# KiCad board microcyte_panel.kicad_pcb
title: microcyte; date: 2025-11-27; rev: A; company: Queen's University; note: Shastri Lab; note: hughmor
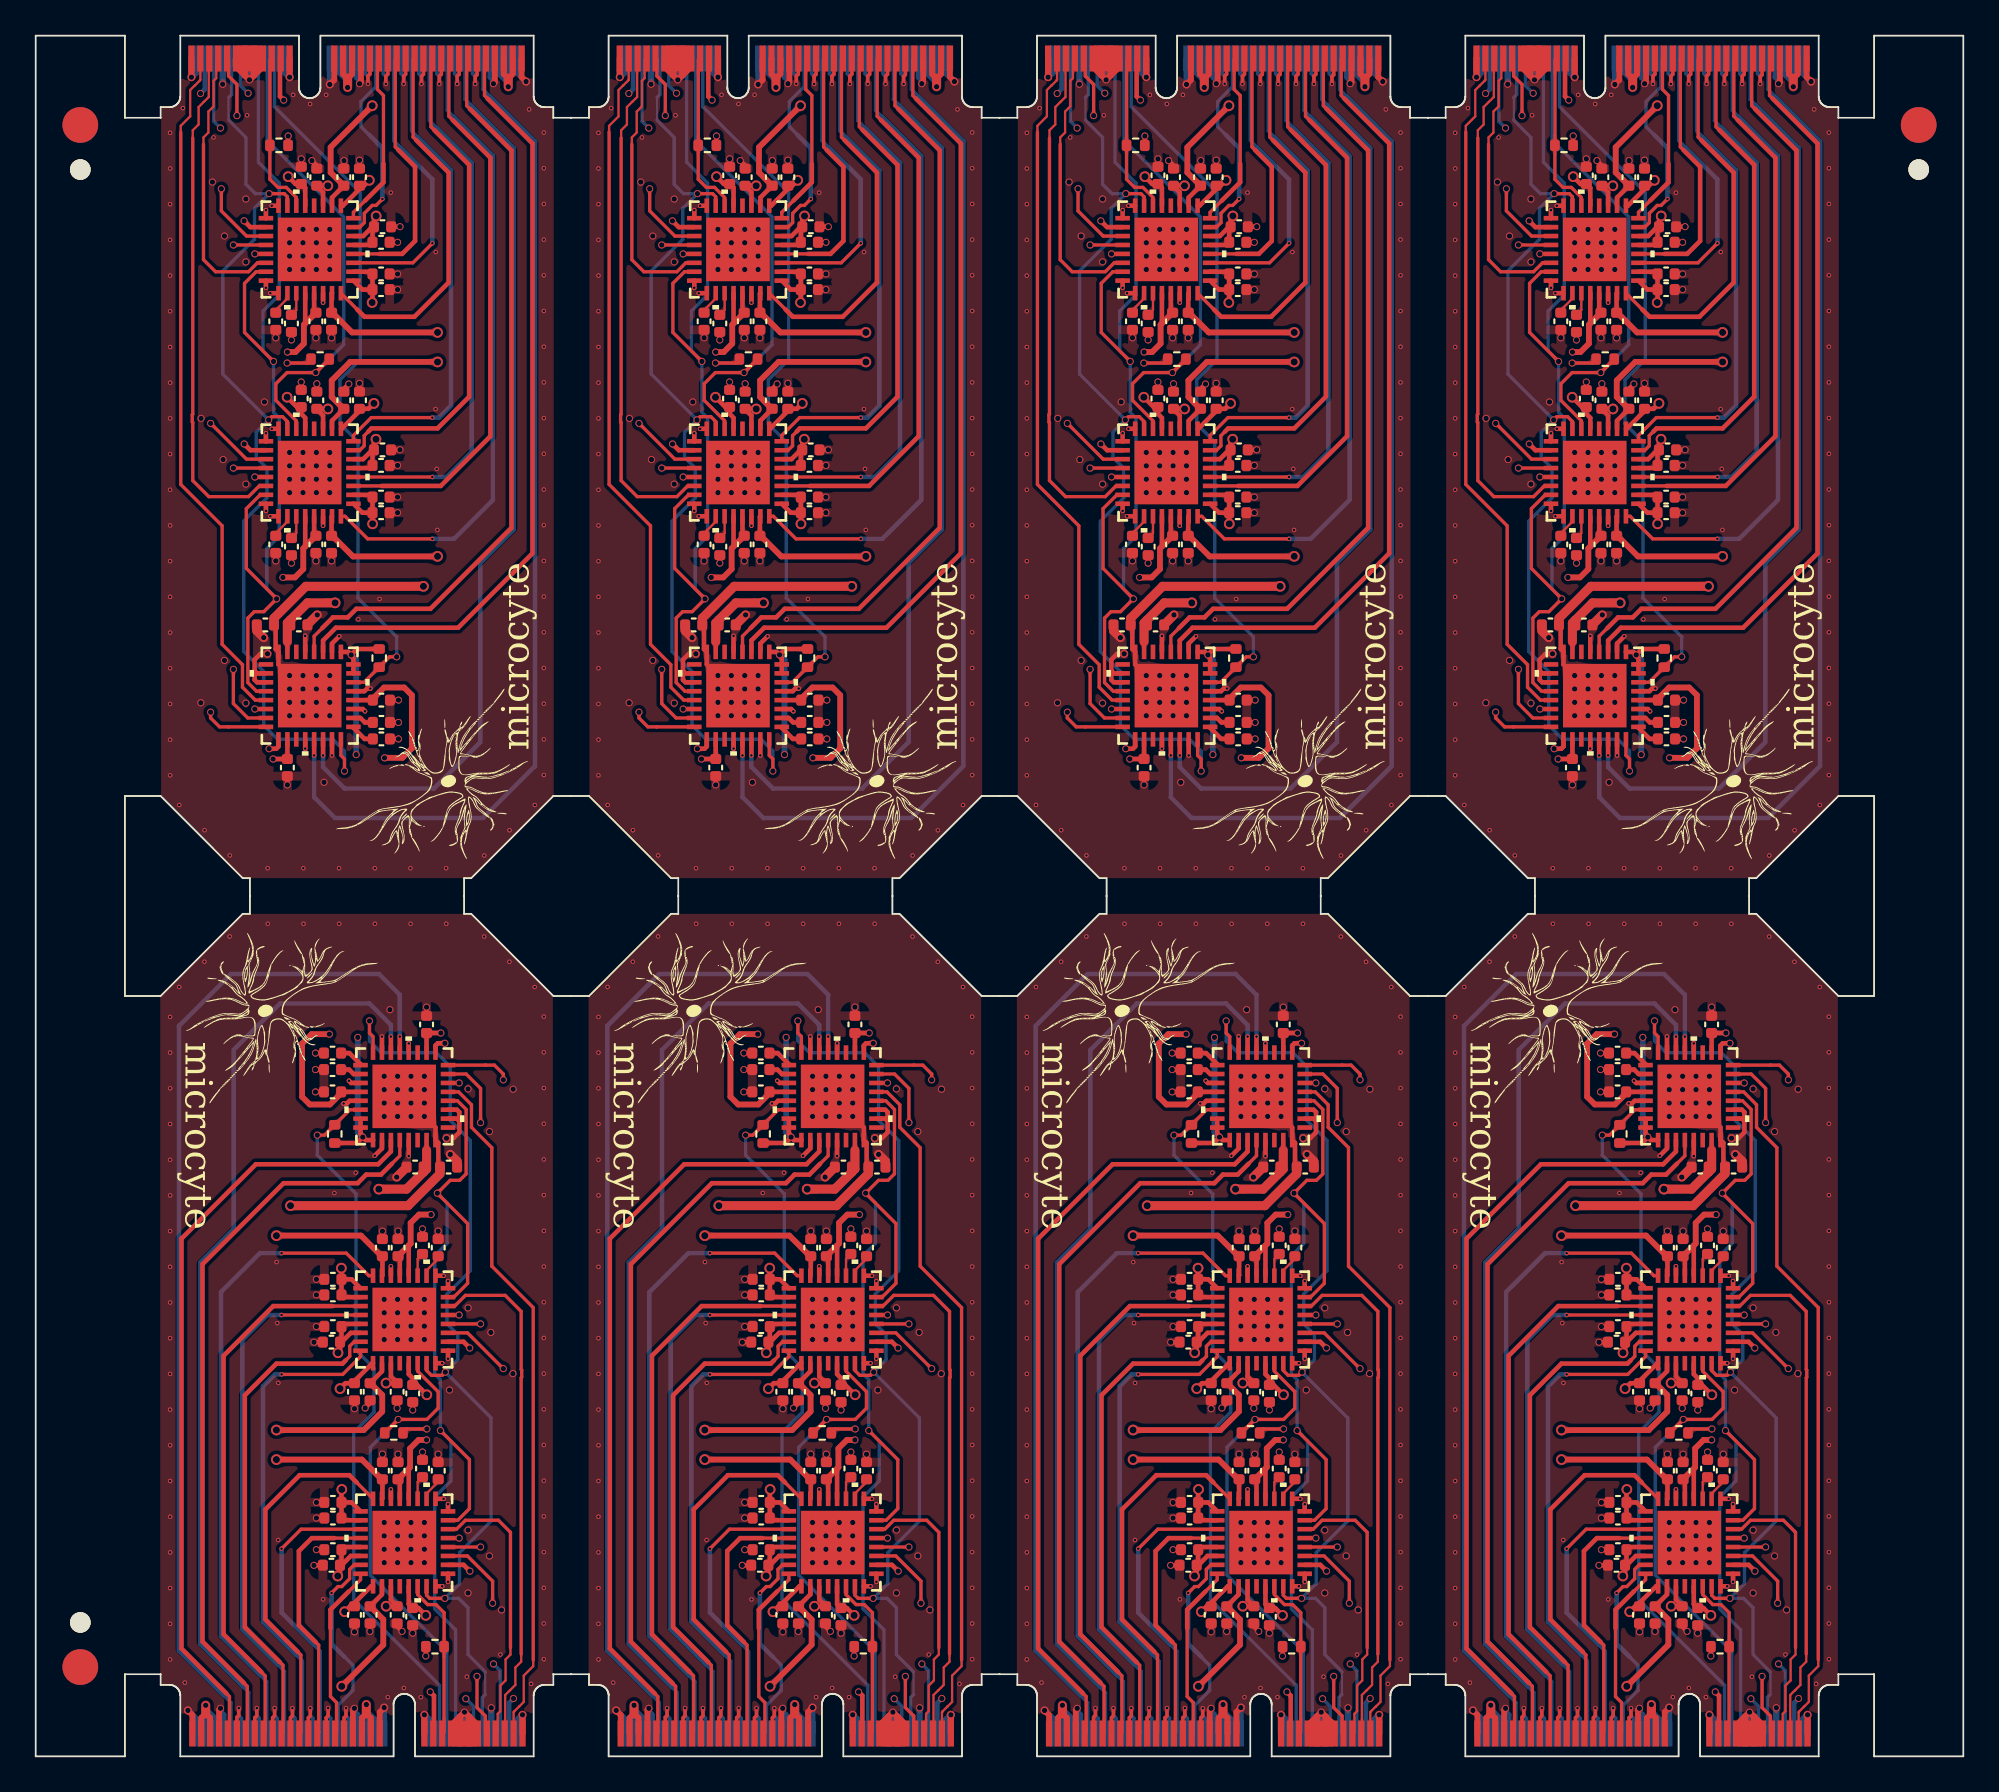
[diagram p0: board, top side]
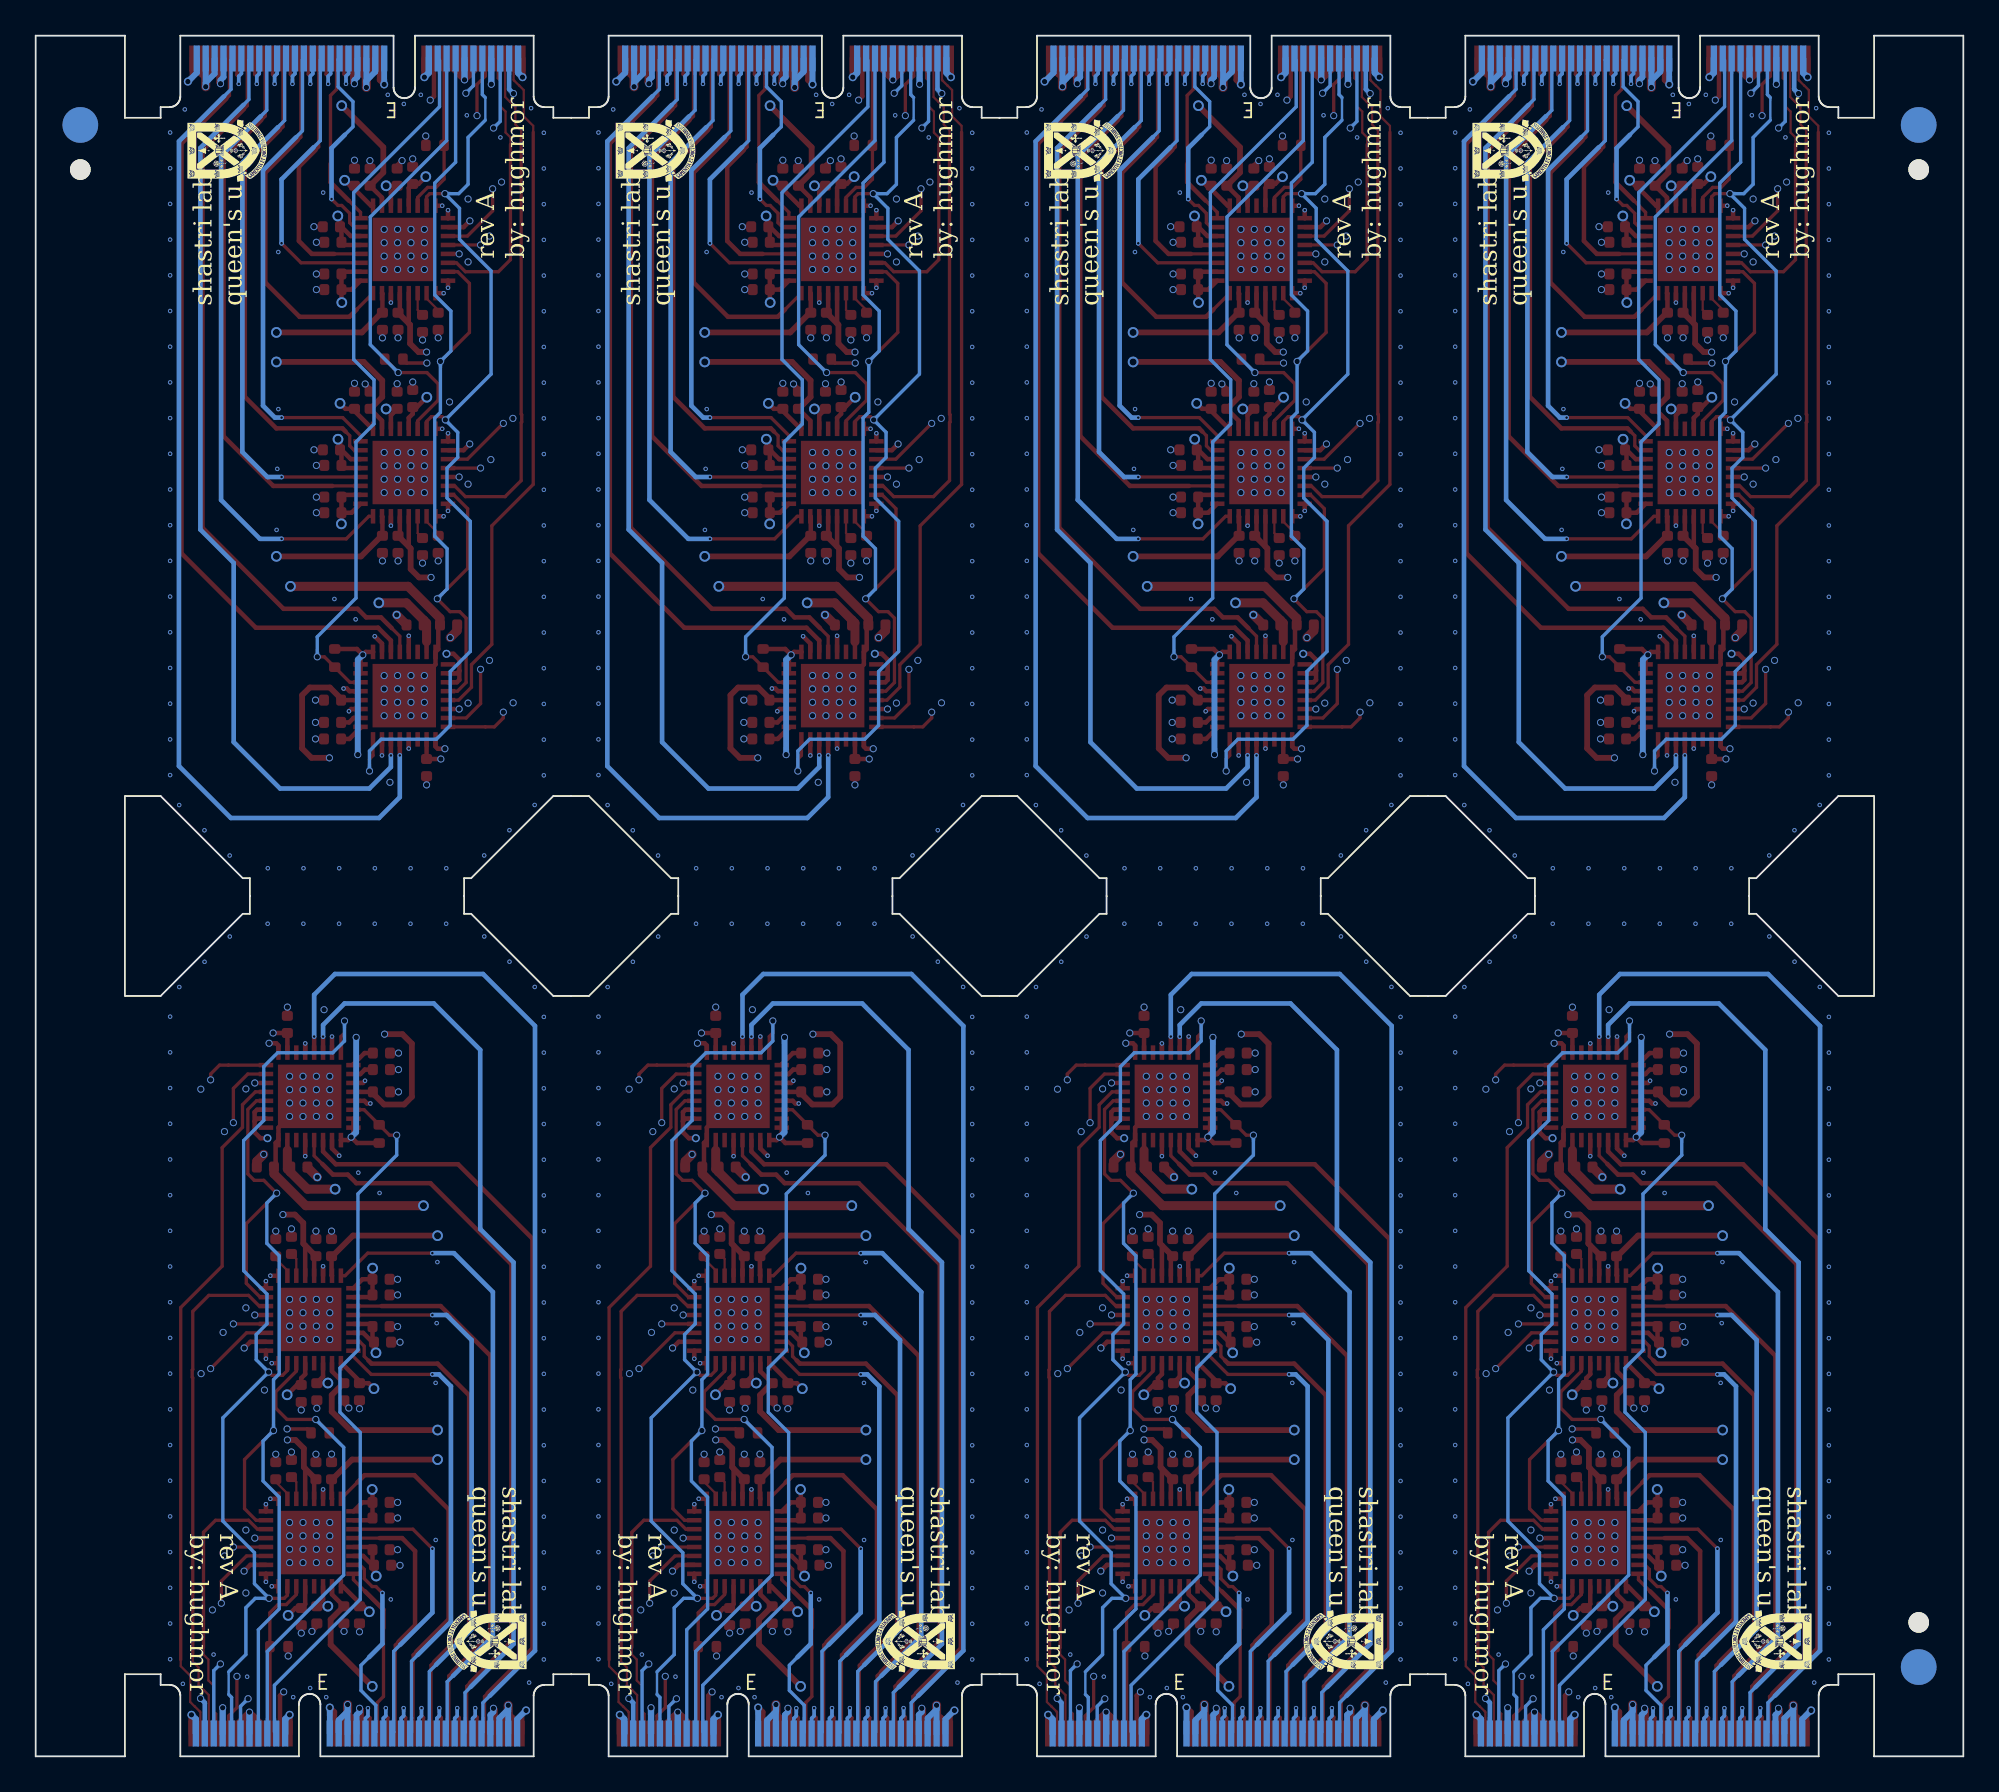
[diagram p1: board, bottom side, seen from below]

Outline 108 x 96.4 mm; copper layers: Top, In1.Cu, In2.Cu, In3.Cu, In4.Cu, Bottom. Coordinates in mm from the lower left corner of the outline.
Outline path: 0,96.4 0,0 5,0 5,4.6 7,4.6 7,4 7.5,4 7.56,4 7.59,3.99 7.65,3.98 7.71,3.96 7.77,3.94 7.82,3.91 7.84,3.89 7.89,3.86 7.94,3.81 7.96,3.79 7.99,3.74 8.03,3.69 8.05,3.64 8.07,3.58 8.09,3.52 8.09,3.49 8.1,3.46 8.1,3.4 8.1,0 20.05,0 20.05,2.9 20.05,2.96 20.06,2.99 20.06,3.02 20.08,3.08 20.1,3.13 20.12,3.19 20.14,3.21 20.17,3.26 20.21,3.31 20.25,3.35 20.3,3.39 20.33,3.4 20.38,3.43 20.43,3.46 20.49,3.48 20.55,3.49 20.61,3.5 20.64,3.5 20.7,3.5 20.76,3.49 20.78,3.48 20.84,3.47 20.9,3.45 20.95,3.42 21,3.39 21.05,3.35 21.09,3.31 21.13,3.26 21.16,3.21 21.18,3.19 21.2,3.13 21.22,3.08 21.24,3.02 21.24,2.99 21.25,2.93 21.25,2.9 21.25,0 27.9,0 27.9,3.4 27.9,3.46 27.91,3.52 27.92,3.55 27.93,3.58 27.95,3.64 27.98,3.69 28.01,3.74 28.05,3.79 28.07,3.81 28.11,3.86 28.16,3.89 28.21,3.92 28.26,3.95 28.32,3.97 28.38,3.99 28.41,3.99 28.47,4 29,4 29,4.6 31,4.6 31,4 31.5,4 31.56,4 31.59,3.99 31.65,3.98 31.71,3.96 31.77,3.94 31.82,3.91 31.84,3.89 31.89,3.86 31.94,3.81 31.96,3.79 31.99,3.74 32.03,3.69 32.05,3.64 32.07,3.58 32.09,3.52 32.09,3.49 32.1,3.46 32.1,3.4 32.1,0 44.05,0 44.05,2.9 44.05,2.96 44.06,2.99 44.06,3.02 44.08,3.08 44.1,3.13 44.12,3.19 44.14,3.21 44.17,3.26 44.21,3.31 44.25,3.35 44.3,3.39 44.33,3.4 44.38,3.43 44.43,3.46 44.49,3.48 44.55,3.49 44.61,3.5 44.64,3.5 44.7,3.5 44.76,3.49 44.78,3.48 44.84,3.47 44.9,3.45 44.95,3.42 45,3.39 45.05,3.35 45.09,3.31 45.13,3.26 45.16,3.21 45.18,3.19 45.2,3.13 45.22,3.08 45.24,3.02 45.24,2.99 45.25,2.96 45.25,2.9 45.25,0 51.9,0 51.9,3.4 51.9,3.43 51.91,3.49 51.92,3.55 51.94,3.61 51.96,3.66 51.98,3.69 52.01,3.74 52.05,3.79 52.07,3.81 52.11,3.86 52.16,3.89 52.21,3.92 52.26,3.95 52.32,3.97 52.38,3.99 52.41,3.99 52.47,4 53,4 53,4.6 55,4.6 55,4 55.5,4 55.56,4 55.59,3.99 55.65,3.98 55.71,3.96 55.77,3.94 55.82,3.91 55.84,3.89 55.89,3.86 55.94,3.81 55.96,3.79 55.99,3.74 56.03,3.69 56.05,3.64 56.07,3.58 56.08,3.55 56.09,3.49 56.1,3.43 56.1,3.4 56.1,0 68.05,0 68.05,2.9 68.05,2.96 68.06,2.99 68.06,3.02 68.08,3.08 68.1,3.13 68.12,3.19 68.14,3.21 68.17,3.26 68.21,3.31 68.25,3.35 68.3,3.39 68.33,3.4 68.38,3.43 68.43,3.46 68.49,3.48 68.55,3.49 68.61,3.5 68.64,3.5 68.7,3.5 68.76,3.49 68.78,3.48 68.84,3.47 68.9,3.45 68.95,3.42 69,3.39 69.05,3.35 69.09,3.31 69.13,3.26 69.16,3.21 69.18,3.19 69.2,3.13 69.22,3.08 69.24,3.02 69.24,2.99 69.25,2.96 69.25,2.9 69.25,0 75.9,0 75.9,3.4 75.9,3.43 75.91,3.49 75.92,3.55 75.94,3.61 75.96,3.66 75.98,3.69 76.01,3.74 76.05,3.79 76.07,3.81 76.11,3.86 76.16,3.89 76.21,3.92 76.26,3.95 76.32,3.97 76.38,3.99 76.41,3.99 76.47,4 77,4 77,4.6 79,4.6 79,4 79.5,4 79.56,4 79.59,3.99 79.65,3.98 79.71,3.96 79.77,3.94 79.82,3.91 79.84,3.89 79.89,3.86 79.94,3.81 79.96,3.79 79.99,3.74 80.03,3.69 80.05,3.64 80.07,3.58 80.08,3.55 80.09,3.49 80.1,3.43 80.1,3.4 80.1,0 92.05,0 92.05,2.9 92.05,2.93 92.06,2.99 92.07,3.05 92.09,3.11 92.1,3.13 92.12,3.19 92.16,3.24 92.17,3.26 92.21,3.31 92.25,3.35 92.3,3.39 92.33,3.4 92.38,3.43 92.43,3.46 92.49,3.48 92.55,3.49 92.61,3.5 92.64,3.5 92.7,3.5 92.76,3.49 92.78,3.48 92.84,3.47 92.9,3.45 92.95,3.42 93,3.39 93.05,3.35 93.09,3.31 93.13,3.26 93.15,3.24 93.18,3.19 93.2,3.13 93.21,3.11 93.23,3.05 93.24,2.99 93.25,2.93 93.25,2.9 93.25,0 99.9,0 99.9,3.4 99.9,3.46 99.91,3.49 99.92,3.55 99.93,3.58 99.95,3.64 99.98,3.69 100.01,3.74 100.05,3.79 100.07,3.81 100.11,3.86 100.16,3.89 100.21,3.92 100.26,3.95 100.32,3.97 100.38,3.99 100.41,3.99 100.47,4 101,4 101,4.6 103,4.6 103,0 108,0 108,96.4 103,96.4 103,91.8 101,91.8 101,92.4 100.5,92.4 100.44,92.4 100.38,92.41 100.32,92.43 100.29,92.44 100.26,92.45 100.21,92.48 100.16,92.51 100.11,92.54 100.07,92.59 100.03,92.63 100.01,92.66 99.98,92.71 99.95,92.76 99.94,92.79 99.92,92.85 99.91,92.91 99.9,92.94 99.9,93 99.9,96.4 87.95,96.4 87.95,93.5 87.95,93.47 87.94,93.41 87.93,93.35 87.91,93.29 87.9,93.27 87.88,93.21 87.85,93.16 87.81,93.11 87.77,93.07 87.75,93.05 87.7,93.01 87.65,92.98 87.6,92.95 87.57,92.94 87.51,92.92 87.46,92.91 87.43,92.9 87.37,92.9 87.34,92.9 87.28,92.9 87.22,92.92 87.16,92.93 87.1,92.95 87.05,92.98 87,93.01 86.98,93.03 86.93,93.07 86.89,93.11 86.86,93.16 86.82,93.21 86.8,93.27 86.79,93.29 86.77,93.35 86.76,93.41 86.75,93.47 86.75,93.5 86.75,96.4 80.1,96.4 80.1,93 80.1,92.97 80.09,92.91 80.08,92.85 80.06,92.79 80.04,92.74 80.01,92.68 79.99,92.66 79.96,92.61 79.94,92.59 79.89,92.54 79.84,92.51 79.79,92.48 79.74,92.45 79.68,92.43 79.62,92.41 79.56,92.4 79.53,92.4 79,92.4 79,91.8 77,91.8 77,92.4 76.5,92.4 76.44,92.4 76.38,92.41 76.32,92.43 76.29,92.44 76.26,92.45 76.21,92.48 76.16,92.51 76.11,92.54 76.07,92.59 76.03,92.63 76.01,92.66 75.98,92.71 75.96,92.74 75.94,92.79 75.92,92.85 75.91,92.91 75.9,92.97 75.9,93 75.9,96.4 63.95,96.4 63.95,93.5 63.95,93.44 63.94,93.41 63.94,93.38 63.92,93.32 63.9,93.27 63.88,93.21 63.85,93.16 63.81,93.11 63.79,93.09 63.75,93.05 63.7,93.01 63.65,92.98 63.62,92.97 63.57,92.94 63.51,92.92 63.48,92.92 63.43,92.9 63.37,92.9 63.34,92.9 63.28,92.9 63.22,92.92 63.16,92.93 63.13,92.94 63.08,92.97 63.03,93 62.98,93.03 62.93,93.07 62.89,93.11 62.86,93.16 62.84,93.19 62.81,93.24 62.79,93.29 62.77,93.35 62.76,93.41 62.75,93.44 62.75,93.5 62.75,96.4 56.1,96.4 56.1,93 56.1,92.97 56.09,92.91 56.08,92.85 56.06,92.79 56.04,92.74 56.01,92.68 55.99,92.66 55.96,92.61 55.94,92.59 55.89,92.54 55.84,92.51 55.79,92.48 55.74,92.45 55.68,92.43 55.62,92.41 55.56,92.4 55.53,92.4 55,92.4 55,91.8 53,91.8 53,92.4 52.5,92.4 52.44,92.4 52.38,92.41 52.32,92.43 52.29,92.44 52.26,92.45 52.21,92.48 52.16,92.51 52.11,92.54 52.07,92.59 52.03,92.63 52.01,92.66 51.98,92.71 51.96,92.74 51.94,92.79 51.92,92.85 51.91,92.91 51.9,92.97 51.9,93 51.9,96.4 39.95,96.4 39.95,93.5 39.95,93.44 39.94,93.41 39.93,93.35 39.91,93.29 39.89,93.24 39.88,93.21 39.85,93.16 39.81,93.11 39.79,93.09 39.75,93.05 39.73,93.03 39.68,93 39.62,92.97 39.57,92.94 39.51,92.92 39.46,92.91 39.4,92.9 39.37,92.9 39.34,92.9 39.28,92.9 39.22,92.92 39.16,92.93 39.1,92.95 39.08,92.97 39.03,93 38.98,93.03 38.93,93.07 38.89,93.11 38.86,93.16 38.82,93.21 38.81,93.24 38.79,93.29 38.77,93.35 38.76,93.41 38.75,93.44 38.75,93.5 38.75,96.4 32.1,96.4 32.1,93 32.1,92.94 32.09,92.88 32.08,92.85 32.06,92.79 32.04,92.74 32.01,92.68 31.98,92.63 31.96,92.61 31.91,92.57 31.89,92.54 31.84,92.51 31.79,92.48 31.74,92.45 31.68,92.43 31.62,92.41 31.56,92.4 31.53,92.4 31,92.4 31,91.8 29,91.8 29,92.4 28.5,92.4 28.44,92.4 28.38,92.41 28.32,92.43 28.29,92.44 28.26,92.45 28.21,92.48 28.16,92.51 28.11,92.54 28.07,92.59 28.03,92.63 27.99,92.68 27.98,92.71 27.95,92.76 27.93,92.82 27.92,92.85 27.91,92.91 27.9,92.97 27.9,93 27.9,96.4 15.95,96.4 15.95,93.5 15.95,93.44 15.94,93.41 15.93,93.35 15.91,93.29 15.9,93.27 15.88,93.21 15.85,93.16 15.81,93.11 15.79,93.09 15.75,93.05 15.73,93.03 15.68,93 15.62,92.97 15.57,92.94 15.51,92.92 15.48,92.92 15.43,92.9 15.37,92.9 15.34,92.9 15.28,92.9 15.22,92.92 15.16,92.93 15.1,92.95 15.08,92.97 15.03,93 14.98,93.03 14.93,93.07 14.89,93.11 14.86,93.16 14.82,93.21 14.8,93.27 14.79,93.29 14.77,93.35 14.76,93.41 14.75,93.47 14.75,93.5 14.75,96.4 8.1,96.4 8.1,93 8.1,92.94 8.09,92.88 8.08,92.85 8.06,92.79 8.04,92.74 8.01,92.68 7.98,92.63 7.96,92.61 7.91,92.57 7.89,92.54 7.84,92.51 7.79,92.48 7.74,92.45 7.68,92.43 7.62,92.41 7.56,92.4 7.53,92.4 7,92.4 7,91.8 5,91.8 5,96.4 0,96.4 ; 5,53.8 7,53.8 11.6,49.2 12,49.2 12,47.2 11.6,47.2 7,42.6 5,42.6 5,53.8 ; 24,49.2 24.4,49.2 29,53.8 31,53.8 35.6,49.2 36,49.2 36,47.2 35.6,47.2 31,42.6 29,42.6 24.4,47.2 24,47.2 24,49.2 ; 48,49.2 48.4,49.2 53,53.8 55,53.8 59.6,49.2 60,49.2 60,47.2 59.6,47.2 55,42.6 53,42.6 48.4,47.2 48,47.2 48,49.2 ; 72,49.2 72.4,49.2 77,53.8 79,53.8 83.6,49.2 84,49.2 84,47.2 83.6,47.2 79,42.6 77,42.6 72.4,47.2 72,47.2 72,49.2 ; 96,49.2 96.4,49.2 101,53.8 103,53.8 103,42.6 101,42.6 96.4,47.2 96,47.2 96,49.2
Stack: Top 0.035mm / dielectric 0.1164mm FR4 er 4.5 / In1.Cu 0.0152mm / dielectric 0.13mm FR4 er 4.5 / In2.Cu 0.0152mm / dielectric 0.2104mm FR4 er 4.5 / In3.Cu 0.0152mm / dielectric 0.13mm FR4 er 4.5 / In4.Cu 0.0152mm / dielectric 0.1164mm FR4 er 4.5 / Bottom 0.035mm

## Placement (name value [footprint] x y rotation side)
C1  47n  [C_0402_1005Metric]  67.37 57 0 top
C1#2  47n  [C_0402_1005Metric]  43.37 57 0 top
C1#3  47n  [C_0402_1005Metric]  40.63 39.4 180 top
C1#4  47n  [C_0402_1005Metric]  64.63 39.4 180 top
C1#5  47n  [C_0402_1005Metric]  16.63 39.4 180 top
C1#6  47n  [C_0402_1005Metric]  91.37 57 0 top
C1#7  47n  [C_0402_1005Metric]  88.63 39.4 180 top
C1#8  47n  [C_0402_1005Metric]  19.37 57 0 top
C2  100n  [C_0402_1005Metric]  43.37 57.93 0 top
C2#2  100n  [C_0402_1005Metric]  88.63 38.48 180 top
C2#3  100n  [C_0402_1005Metric]  91.37 57.93 0 top
C2#4  100n  [C_0402_1005Metric]  19.37 57.93 0 top
C2#5  100n  [C_0402_1005Metric]  40.63 38.48 180 top
C2#6  100n  [C_0402_1005Metric]  64.63 38.48 180 top
C2#7  100n  [C_0402_1005Metric]  16.63 38.48 180 top
C2#8  100n  [C_0402_1005Metric]  67.37 57.93 0 top
C3  47n  [C_0402_1005Metric]  13.45 80.4 270 top
C3#2  47n  [C_0402_1005Metric]  46.55 16 90 top
C3#3  47n  [C_0402_1005Metric]  61.45 80.4 270 top
C3#4  47n  [C_0402_1005Metric]  22.55 16 90 top
C3#5  47n  [C_0402_1005Metric]  94.55 16 90 top
C3#6  47n  [C_0402_1005Metric]  85.45 80.4 270 top
C3#7  47n  [C_0402_1005Metric]  70.55 16 90 top
C3#8  47n  [C_0402_1005Metric]  37.45 80.4 270 top
C4  100n  [C_0402_1005Metric]  21.67 16.12 90 top
C4#2  100n  [C_0402_1005Metric]  62.33 80.28 270 top
C4#3  100n  [C_0402_1005Metric]  86.33 80.28 270 top
C4#4  100n  [C_0402_1005Metric]  69.67 16.12 90 top
C4#5  100n  [C_0402_1005Metric]  93.67 16.12 90 top
C4#6  100n  [C_0402_1005Metric]  38.33 80.28 270 top
C4#7  100n  [C_0402_1005Metric]  14.33 80.28 270 top
C4#8  100n  [C_0402_1005Metric]  45.67 16.12 90 top
C5  47n  [C_0402_1005Metric]  61.45 67.9 270 top
C5#2  47n  [C_0402_1005Metric]  85.45 67.9 270 top
C5#3  47n  [C_0402_1005Metric]  37.45 67.9 270 top
C5#4  47n  [C_0402_1005Metric]  22.55 28.5 90 top
C5#5  47n  [C_0402_1005Metric]  70.55 28.5 90 top
C5#6  47n  [C_0402_1005Metric]  13.45 67.9 270 top
C5#7  47n  [C_0402_1005Metric]  46.55 28.5 90 top
C5#8  47n  [C_0402_1005Metric]  94.55 28.5 90 top
C6  100n  [C_0402_1005Metric]  69.67 28.63 90 top
C6#2  100n  [C_0402_1005Metric]  14.33 67.77 270 top
C6#3  100n  [C_0402_1005Metric]  21.67 28.63 90 top
C6#4  100n  [C_0402_1005Metric]  38.33 67.77 270 top
C6#5  100n  [C_0402_1005Metric]  45.67 28.63 90 top
C6#6  100n  [C_0402_1005Metric]  86.33 67.77 270 top
C6#7  100n  [C_0402_1005Metric]  62.33 67.77 270 top
C6#8  100n  [C_0402_1005Metric]  93.67 28.63 90 top
C7  1u  [C_0402_1005Metric]  64.65 14.22 180 top
C7#2  1u  [C_0402_1005Metric]  43.35 82.18 0 top
C7#3  1u  [C_0402_1005Metric]  16.65 14.22 180 top
C7#4  1u  [C_0402_1005Metric]  19.35 82.18 0 top
C7#5  1u  [C_0402_1005Metric]  40.65 14.22 180 top
C7#6  1u  [C_0402_1005Metric]  91.35 82.18 0 top
C7#7  1u  [C_0402_1005Metric]  88.65 14.22 180 top
C7#8  1u  [C_0402_1005Metric]  67.35 82.18 0 top
C8  1u  [C_0402_1005Metric]  16.65 13.35 180 top
C8#2  1u  [C_0402_1005Metric]  40.65 13.35 180 top
C8#3  1u  [C_0402_1005Metric]  43.35 83.05 0 top
C8#4  1u  [C_0402_1005Metric]  67.35 83.05 0 top
C8#5  1u  [C_0402_1005Metric]  91.35 83.05 0 top
C8#6  1u  [C_0402_1005Metric]  64.65 13.35 180 top
C8#7  1u  [C_0402_1005Metric]  88.65 13.35 180 top
C8#8  1u  [C_0402_1005Metric]  19.35 83.05 0 top
C9  1u  [C_0402_1005Metric]  88.65 11.58 180 top
C9#2  1u  [C_0402_1005Metric]  64.65 11.58 180 top
C9#3  1u  [C_0402_1005Metric]  19.35 84.83 0 top
C9#4  1u  [C_0402_1005Metric]  67.35 84.83 0 top
C9#5  1u  [C_0402_1005Metric]  16.65 11.58 180 top
C9#6  1u  [C_0402_1005Metric]  91.35 84.83 0 top
C9#7  1u  [C_0402_1005Metric]  40.65 11.58 180 top
C9#8  1u  [C_0402_1005Metric]  43.35 84.83 0 top
C10  1u  [C_0402_1005Metric]  16.57 10.71 180 top
C10#2  1u  [C_0402_1005Metric]  64.57 10.71 180 top
C10#3  1u  [C_0402_1005Metric]  43.43 85.69 0 top
C10#4  1u  [C_0402_1005Metric]  91.43 85.69 0 top
C10#5  1u  [C_0402_1005Metric]  40.57 10.71 180 top
C10#6  1u  [C_0402_1005Metric]  19.43 85.69 0 top
C10#7  1u  [C_0402_1005Metric]  88.57 10.71 180 top
C10#8  1u  [C_0402_1005Metric]  67.43 85.69 0 top
C11  1u  [C_0402_1005Metric]  66.14 88.48 90 top
C11#2  1u  [C_0402_1005Metric]  18.14 88.48 90 top
C11#3  1u  [C_0402_1005Metric]  17.86 7.93 270 top
C11#4  1u  [C_0402_1005Metric]  89.86 7.93 270 top
C11#5  1u  [C_0402_1005Metric]  90.14 88.48 90 top
C11#6  1u  [C_0402_1005Metric]  41.86 7.93 270 top
C11#7  1u  [C_0402_1005Metric]  42.14 88.48 90 top
C11#8  1u  [C_0402_1005Metric]  65.86 7.93 270 top
C12  1u  [C_0402_1005Metric]  87.75 88.48 90 top
C12#2  1u  [C_0402_1005Metric]  44.25 7.93 270 top
C12#3  1u  [C_0402_1005Metric]  20.25 7.93 270 top
C12#4  1u  [C_0402_1005Metric]  39.75 88.48 90 top
C12#5  1u  [C_0402_1005Metric]  68.25 7.93 270 top
C12#6  1u  [C_0402_1005Metric]  92.25 7.93 270 top
C12#7  1u  [C_0402_1005Metric]  15.75 88.48 90 top
C12#8  1u  [C_0402_1005Metric]  63.75 88.48 90 top
C13  1u  [C_0402_1005Metric]  17.27 88.48 90 top
C13#2  1u  [C_0402_1005Metric]  89.27 88.48 90 top
C13#3  1u  [C_0402_1005Metric]  66.74 7.93 270 top
C13#4  1u  [C_0402_1005Metric]  90.74 7.93 270 top
C13#5  1u  [C_0402_1005Metric]  18.74 7.93 270 top
C13#6  1u  [C_0402_1005Metric]  65.27 88.48 90 top
C13#7  1u  [C_0402_1005Metric]  42.74 7.93 270 top
C13#8  1u  [C_0402_1005Metric]  41.27 88.48 90 top
C14  1u  [C_0402_1005Metric]  40.58 80.4 270 top
C14#2  1u  [C_0402_1005Metric]  91.43 16 90 top
C14#3  1u  [C_0402_1005Metric]  67.43 16 90 top
C14#4  1u  [C_0402_1005Metric]  19.43 16 90 top
C14#5  1u  [C_0402_1005Metric]  64.58 80.4 270 top
C14#6  1u  [C_0402_1005Metric]  88.58 80.4 270 top
C14#7  1u  [C_0402_1005Metric]  43.43 16 90 top
C14#8  1u  [C_0402_1005Metric]  16.58 80.4 270 top
C15  1u  [C_0402_1005Metric]  87.7 80.4 270 top
C15#2  1u  [C_0402_1005Metric]  15.7 80.4 270 top
C15#3  1u  [C_0402_1005Metric]  44.3 16 90 top
C15#4  1u  [C_0402_1005Metric]  39.7 80.4 270 top
C15#5  1u  [C_0402_1005Metric]  92.3 16 90 top
C15#6  1u  [C_0402_1005Metric]  68.3 16 90 top
C15#7  1u  [C_0402_1005Metric]  63.7 80.4 270 top
C15#8  1u  [C_0402_1005Metric]  20.3 16 90 top
C16  100n  [C_0402_1005Metric]  14.88 88.57 90 top
C16#2  100n  [C_0402_1005Metric]  86.88 88.57 90 top
C16#3  100n  [C_0402_1005Metric]  38.88 88.57 90 top
C16#4  100n  [C_0402_1005Metric]  69.12 7.83 270 top
C16#5  100n  [C_0402_1005Metric]  45.12 7.83 270 top
C16#6  100n  [C_0402_1005Metric]  62.88 88.57 90 top
C16#7  100n  [C_0402_1005Metric]  21.12 7.83 270 top
C16#8  100n  [C_0402_1005Metric]  93.12 7.83 270 top
C17  1u  [C_0402_1005Metric]  91.35 69.68 0 top
C17#2  1u  [C_0402_1005Metric]  88.65 26.72 180 top
C17#3  1u  [C_0402_1005Metric]  67.35 69.68 0 top
C17#4  1u  [C_0402_1005Metric]  43.35 69.68 0 top
C17#5  1u  [C_0402_1005Metric]  64.65 26.72 180 top
C17#6  1u  [C_0402_1005Metric]  40.65 26.72 180 top
C17#7  1u  [C_0402_1005Metric]  19.35 69.68 0 top
C17#8  1u  [C_0402_1005Metric]  16.65 26.72 180 top
C18  1u  [C_0402_1005Metric]  40.65 25.85 180 top
C18#2  1u  [C_0402_1005Metric]  64.65 25.85 180 top
C18#3  1u  [C_0402_1005Metric]  16.65 25.85 180 top
C18#4  1u  [C_0402_1005Metric]  91.35 70.55 0 top
C18#5  1u  [C_0402_1005Metric]  88.65 25.85 180 top
C18#6  1u  [C_0402_1005Metric]  43.35 70.55 0 top
C18#7  1u  [C_0402_1005Metric]  67.35 70.55 0 top
C18#8  1u  [C_0402_1005Metric]  19.35 70.55 0 top
C19  1u  [C_0402_1005Metric]  91.35 72.33 0 top
C19#2  1u  [C_0402_1005Metric]  88.65 24.08 180 top
C19#3  1u  [C_0402_1005Metric]  67.35 72.33 0 top
C19#4  1u  [C_0402_1005Metric]  43.35 72.33 0 top
C19#5  1u  [C_0402_1005Metric]  64.65 24.08 180 top
C19#6  1u  [C_0402_1005Metric]  40.65 24.08 180 top
C19#7  1u  [C_0402_1005Metric]  19.35 72.33 0 top
C19#8  1u  [C_0402_1005Metric]  16.65 24.08 180 top
C20  1u  [C_0402_1005Metric]  88.57 23.21 180 top
C20#2  1u  [C_0402_1005Metric]  91.43 73.2 0 top
C20#3  1u  [C_0402_1005Metric]  67.43 73.2 0 top
C20#4  1u  [C_0402_1005Metric]  64.57 23.21 180 top
C20#5  1u  [C_0402_1005Metric]  19.43 73.2 0 top
C20#6  1u  [C_0402_1005Metric]  16.57 23.21 180 top
C20#7  1u  [C_0402_1005Metric]  40.57 23.21 180 top
C20#8  1u  [C_0402_1005Metric]  43.43 73.2 0 top
C21  1u  [C_0402_1005Metric]  90.14 75.98 90 top
C21#2  1u  [C_0402_1005Metric]  66.14 75.98 90 top
C21#3  1u  [C_0402_1005Metric]  41.86 20.43 270 top
C21#4  1u  [C_0402_1005Metric]  89.86 20.43 270 top
C21#5  1u  [C_0402_1005Metric]  18.14 75.98 90 top
C21#6  1u  [C_0402_1005Metric]  65.86 20.43 270 top
C21#7  1u  [C_0402_1005Metric]  42.14 75.98 90 top
C21#8  1u  [C_0402_1005Metric]  17.86 20.43 270 top
C22  1u  [C_0402_1005Metric]  63.75 75.98 90 top
C22#2  1u  [C_0402_1005Metric]  15.75 75.98 90 top
C22#3  1u  [C_0402_1005Metric]  68.25 20.43 270 top
C22#4  1u  [C_0402_1005Metric]  39.75 75.98 90 top
C22#5  1u  [C_0402_1005Metric]  92.25 20.43 270 top
C22#6  1u  [C_0402_1005Metric]  20.25 20.43 270 top
C22#7  1u  [C_0402_1005Metric]  87.75 75.98 90 top
C22#8  1u  [C_0402_1005Metric]  44.25 20.43 270 top
C23  1u  [C_0402_1005Metric]  89.27 75.98 90 top
C23#2  1u  [C_0402_1005Metric]  65.27 75.98 90 top
C23#3  1u  [C_0402_1005Metric]  66.74 20.43 270 top
C23#4  1u  [C_0402_1005Metric]  18.74 20.43 270 top
C23#5  1u  [C_0402_1005Metric]  90.74 20.43 270 top
C23#6  1u  [C_0402_1005Metric]  17.27 75.98 90 top
C23#7  1u  [C_0402_1005Metric]  42.74 20.43 270 top
C23#8  1u  [C_0402_1005Metric]  41.27 75.98 90 top
C24  1u  [C_0402_1005Metric]  43.43 28.5 90 top
C24#2  1u  [C_0402_1005Metric]  40.58 67.9 270 top
C24#3  1u  [C_0402_1005Metric]  91.43 28.5 90 top
C24#4  1u  [C_0402_1005Metric]  88.58 67.9 270 top
C24#5  1u  [C_0402_1005Metric]  64.58 67.9 270 top
C24#6  1u  [C_0402_1005Metric]  16.58 67.9 270 top
C24#7  1u  [C_0402_1005Metric]  19.43 28.5 90 top
C24#8  1u  [C_0402_1005Metric]  67.43 28.5 90 top
C25  1u  [C_0402_1005Metric]  15.7 67.9 270 top
C25#2  1u  [C_0402_1005Metric]  68.3 28.5 90 top
C25#3  1u  [C_0402_1005Metric]  92.3 28.5 90 top
C25#4  1u  [C_0402_1005Metric]  44.3 28.5 90 top
C25#5  1u  [C_0402_1005Metric]  87.7 67.9 270 top
C25#6  1u  [C_0402_1005Metric]  20.3 28.5 90 top
C25#7  1u  [C_0402_1005Metric]  63.7 67.9 270 top
C25#8  1u  [C_0402_1005Metric]  39.7 67.9 270 top
C26  100n  [C_0402_1005Metric]  45.12 20.33 270 top
C26#2  100n  [C_0402_1005Metric]  14.88 76.07 90 top
C26#3  100n  [C_0402_1005Metric]  86.88 76.07 90 top
C26#4  100n  [C_0402_1005Metric]  38.88 76.07 90 top
C26#5  100n  [C_0402_1005Metric]  62.88 76.07 90 top
C26#6  100n  [C_0402_1005Metric]  93.12 20.33 270 top
C26#7  100n  [C_0402_1005Metric]  21.12 20.33 270 top
C26#8  100n  [C_0402_1005Metric]  69.12 20.33 270 top
C27  1u  [C_0402_1005Metric]  62.74 63.39 0 top
C27#2  1u  [C_0402_1005Metric]  21.26 33.01 180 top
C27#3  1u  [C_0402_1005Metric]  14.74 63.39 0 top
C27#4  1u  [C_0402_1005Metric]  38.74 63.39 0 top
C27#5  1u  [C_0402_1005Metric]  69.26 33.01 180 top
C27#6  1u  [C_0402_1005Metric]  93.26 33.01 180 top
C27#7  1u  [C_0402_1005Metric]  86.74 63.39 0 top
C27#8  1u  [C_0402_1005Metric]  45.26 33.01 180 top
C28  1u  [C_0402_1005Metric]  47.13 33.01 0 top
C28#2  1u  [C_0402_1005Metric]  84.87 63.39 180 top
C28#3  1u  [C_0402_1005Metric]  36.87 63.39 180 top
C28#4  1u  [C_0402_1005Metric]  71.13 33.01 0 top
C28#5  1u  [C_0402_1005Metric]  60.87 63.39 180 top
C28#6  1u  [C_0402_1005Metric]  12.87 63.39 180 top
C28#7  1u  [C_0402_1005Metric]  95.13 33.01 0 top
C28#8  1u  [C_0402_1005Metric]  23.13 33.01 0 top
C29  100n  [C_0402_1005Metric]  38.1 55.4 270 top
C29#2  100n  [C_0402_1005Metric]  86.1 55.4 270 top
C29#3  100n  [C_0402_1005Metric]  69.9 41.01 90 top
C29#4  100n  [C_0402_1005Metric]  14.1 55.4 270 top
C29#5  100n  [C_0402_1005Metric]  62.1 55.4 270 top
C29#6  100n  [C_0402_1005Metric]  45.9 41.01 90 top
C29#7  100n  [C_0402_1005Metric]  21.9 41.01 90 top
C29#8  100n  [C_0402_1005Metric]  93.9 41.01 90 top
C30  1u  [C_0402_1005Metric]  67.37 59.17 0 top
C30#2  1u  [C_0402_1005Metric]  40.63 37.23 180 top
C30#3  1u  [C_0402_1005Metric]  64.63 37.23 180 top
C30#4  1u  [C_0402_1005Metric]  43.37 59.17 0 top
C30#5  1u  [C_0402_1005Metric]  16.63 37.23 180 top
C30#6  1u  [C_0402_1005Metric]  19.37 59.17 0 top
C30#7  1u  [C_0402_1005Metric]  88.63 37.23 180 top
C30#8  1u  [C_0402_1005Metric]  91.37 59.17 0 top
G***  LOGO  [astrocyte_mirrored_inv]  22.46 55.32 170 top
G***#2  LOGO  [astrocyte_mirrored_inv]  85.55 41.08 350 top
G***#3  LOGO  [astrocyte_mirrored_inv]  37.55 41.08 350 top
G***#4  LOGO  [astrocyte_mirrored_inv]  46.46 55.32 170 top
G***#5  LOGO  [astrocyte_mirrored_inv]  94.46 55.32 170 top
G***#6  LOGO  [astrocyte_mirrored_inv]  61.55 41.08 350 top
G***#7  LOGO  [astrocyte_mirrored_inv]  70.46 55.32 170 top
G***#8  LOGO  [astrocyte_mirrored_inv]  13.55 41.08 350 top
G***#9  LOGO  [queens_logo_silk_5mm]  10.73 6.44 270 bottom
G***#10  LOGO  [queens_logo_silk_5mm]  49.27 89.96 90 bottom
G***#11  LOGO  [queens_logo_silk_5mm]  34.73 6.44 270 bottom
G***#12  LOGO  [queens_logo_silk_5mm]  97.27 89.96 90 bottom
G***#13  LOGO  [queens_logo_silk_5mm]  73.27 89.96 90 bottom
G***#14  LOGO  [queens_logo_silk_5mm]  82.73 6.44 270 bottom
G***#15  LOGO  [queens_logo_silk_5mm]  58.73 6.44 270 bottom
G***#16  LOGO  [queens_logo_silk_5mm]  25.27 89.96 90 bottom
J1  Conn_02x38_Odd_Even  [Connector_M.2_key-E]  75.93 96.43 180 top
J1#2  Conn_02x38_Odd_Even  [Connector_M.2_key-E]  8.08 -0.02 0 top
J1#3  Conn_02x38_Odd_Even  [Connector_M.2_key-E]  56.08 -0.02 0 top
J1#4  Conn_02x38_Odd_Even  [Connector_M.2_key-E]  80.08 -0.02 0 top
J1#5  Conn_02x38_Odd_Even  [Connector_M.2_key-E]  32.08 -0.02 0 top
J1#6  Conn_02x38_Odd_Even  [Connector_M.2_key-E]  27.93 96.43 180 top
J1#7  Conn_02x38_Odd_Even  [Connector_M.2_key-E]  99.93 96.43 180 top
J1#8  Conn_02x38_Odd_Even  [Connector_M.2_key-E]  51.93 96.43 180 top
KiKit_FID_B_1  -  [Fiducial]  2.5 91.4 180 bottom
KiKit_FID_B_2  -  [Fiducial]  105.5 91.4 180 bottom
KiKit_FID_B_3  -  [Fiducial]  2.5 5 180 bottom
KiKit_FID_T_1  -  [Fiducial]  2.5 91.4 0 top
KiKit_FID_T_2  -  [Fiducial]  105.5 91.4 0 top
KiKit_FID_T_3  -  [Fiducial]  2.5 5 0 top
KiKit_TO_1  -  [ToolingHole_1.152mm]  2.5 88.9 0 top
KiKit_TO_2  -  [ToolingHole_1.152mm]  105.5 88.9 0 top
KiKit_TO_3  -  [ToolingHole_1.152mm]  2.5 7.5 0 top
R1  10k  [R_0402_1005Metric]  68.07 18.12 180 top
R1#2  10k  [R_0402_1005Metric]  15.94 78.28 0 top
R1#3  10k  [R_0402_1005Metric]  44.07 18.12 180 top
R1#4  10k  [R_0402_1005Metric]  92.07 18.12 180 top
R1#5  10k  [R_0402_1005Metric]  39.94 78.28 0 top
R1#6  10k  [R_0402_1005Metric]  87.94 78.28 0 top
R1#7  10k  [R_0402_1005Metric]  20.07 18.12 180 top
R1#8  10k  [R_0402_1005Metric]  63.94 78.28 0 top
R3  10k  [R_0402_1005Metric]  61.63 90.26 180 top
R3#2  10k  [R_0402_1005Metric]  94.37 6.14 0 top
R3#3  10k  [R_0402_1005Metric]  22.37 6.14 0 top
R3#4  10k  [R_0402_1005Metric]  37.63 90.26 180 top
R3#5  10k  [R_0402_1005Metric]  46.37 6.14 0 top
R3#6  10k  [R_0402_1005Metric]  13.63 90.26 180 top
R3#7  10k  [R_0402_1005Metric]  85.63 90.26 180 top
R3#8  10k  [R_0402_1005Metric]  70.37 6.14 0 top
R5  10k  [R_0402_1005Metric]  19.25 61.53 270 top
R5#2  10k  [R_0402_1005Metric]  88.76 34.87 90 top
R5#3  10k  [R_0402_1005Metric]  16.76 34.87 90 top
R5#4  10k  [R_0402_1005Metric]  91.25 61.53 270 top
R5#5  10k  [R_0402_1005Metric]  64.76 34.87 90 top
R5#6  10k  [R_0402_1005Metric]  43.25 61.53 270 top
R5#7  10k  [R_0402_1005Metric]  67.25 61.53 270 top
R5#8  10k  [R_0402_1005Metric]  40.76 34.87 90 top
REF**  -  [2242-microcyte-nokey-chamfer]  30 48.2 180 top
REF**#2  -  [2242-microcyte-nokey-chamfer]  6 48.2 0 top
REF**#3  -  [2242-microcyte-nokey-chamfer]  78 48.2 180 top
REF**#4  -  [2242-microcyte-nokey-chamfer]  30 48.2 0 top
REF**#5  -  [2242-microcyte-nokey-chamfer]  78 48.2 0 top
REF**#6  -  [2242-microcyte-nokey-chamfer]  54 48.2 180 top
REF**#7  -  [2242-microcyte-nokey-chamfer]  54 48.2 0 top
REF**#8  -  [2242-microcyte-nokey-chamfer]  102 48.2 180 top
U1  LTC2662HUH-12-PBF  [05-08-1693_ADI]  44.65 11.98 180 top
U1#2  LTC2662HUH-12-PBF  [05-08-1693_ADI]  92.65 11.98 180 top
U1#3  LTC2662HUH-12-PBF  [05-08-1693_ADI]  87.35 84.43 0 top
U1#4  LTC2662HUH-12-PBF  [05-08-1693_ADI]  68.65 11.98 180 top
U1#5  LTC2662HUH-12-PBF  [05-08-1693_ADI]  63.35 84.43 0 top
U1#6  LTC2662HUH-12-PBF  [05-08-1693_ADI]  20.65 11.98 180 top
U1#7  LTC2662HUH-12-PBF  [05-08-1693_ADI]  39.35 84.43 0 top
U1#8  LTC2662HUH-12-PBF  [05-08-1693_ADI]  15.35 84.43 0 top
U2  LTC2662HUH-12-PBF  [05-08-1693_ADI]  68.65 24.48 180 top
U2#2  LTC2662HUH-12-PBF  [05-08-1693_ADI]  87.35 71.93 0 top
U2#3  LTC2662HUH-12-PBF  [05-08-1693_ADI]  44.65 24.48 180 top
U2#4  LTC2662HUH-12-PBF  [05-08-1693_ADI]  92.65 24.48 180 top
U2#5  LTC2662HUH-12-PBF  [05-08-1693_ADI]  39.35 71.93 0 top
U2#6  LTC2662HUH-12-PBF  [05-08-1693_ADI]  20.65 24.48 180 top
U2#7  LTC2662HUH-12-PBF  [05-08-1693_ADI]  63.35 71.93 0 top
U2#8  LTC2662HUH-12-PBF  [05-08-1693_ADI]  15.35 71.93 0 top
U3  LTC2664HUH-12-PBF  [05-08-1693_ADI]  92.65 36.98 90 top
U3#2  LTC2664HUH-12-PBF  [05-08-1693_ADI]  87.35 59.43 270 top
U3#3  LTC2664HUH-12-PBF  [05-08-1693_ADI]  44.65 36.98 90 top
U3#4  LTC2664HUH-12-PBF  [05-08-1693_ADI]  20.65 36.98 90 top
U3#5  LTC2664HUH-12-PBF  [05-08-1693_ADI]  68.65 36.98 90 top
U3#6  LTC2664HUH-12-PBF  [05-08-1693_ADI]  63.35 59.43 270 top
U3#7  LTC2664HUH-12-PBF  [05-08-1693_ADI]  15.35 59.43 270 top
U3#8  LTC2664HUH-12-PBF  [05-08-1693_ADI]  39.35 59.43 270 top

## Library data of the parts
C1 C1#2-C1#8 C3 C3#2-C3#8 C5 C5#2-C5#8 = -: LCSC Part #: C368599
C2 C2#2-C2#8 C4 C4#2-C4#8 C6 C6#2-C6#8 C16 C16#2-C16#8 C26 C26#2-C26#8 C29 C29#2-C29#8 = -: LCSC Part #: C2181836
C7 C7#2-C7#8 C8 C8#2-C8#8 C9 C9#2-C9#8 C10 C10#2-C10#8 C11 C11#2-C11#8 C12 C12#2-C12#8 C13 C13#2-C13#8 C14 C14#2-C14#8 C15 C15#2-C15#8 C17 C17#2-C17#8 C18 C18#2-C18#8 C19 C19#2-C19#8 C20 C20#2-C20#8 C21 C21#2-C21#8 C22 C22#2-C22#8 C23 C23#2-C23#8 C24 C24#2-C24#8 C25 C25#2-C25#8 C27 C27#2-C27#8 C28 C28#2-C28#8 C30 C30#2-C30#8 = -: LCSC Part #: C913556
J1 J1#2-J1#8 = -: Description: Generic connector, double row, 02x38, odd/even pin numbering scheme (row 1 odd numbers, row 2 even numbers), script generated (kicad-library-utils/schlib/autogen/connector/)
R1 R1#2-R1#8 R3 R3#2-R3#8 R5 R5#2-R5#8 = -: LCSC Part #: C317926
U1 U1#2-U1#8 U2 U2#2-U2#8 = -: Datasheet: https://www.analog.com/media/en/technical-documentation/data-sheets/LTC2662.pdf
U3 U3#2-U3#8 = -: Datasheet: https://www.analog.com/media/en/technical-documentation/data-sheets/2664fa.pdf